# Allegro board controller_layout.brd (continued)
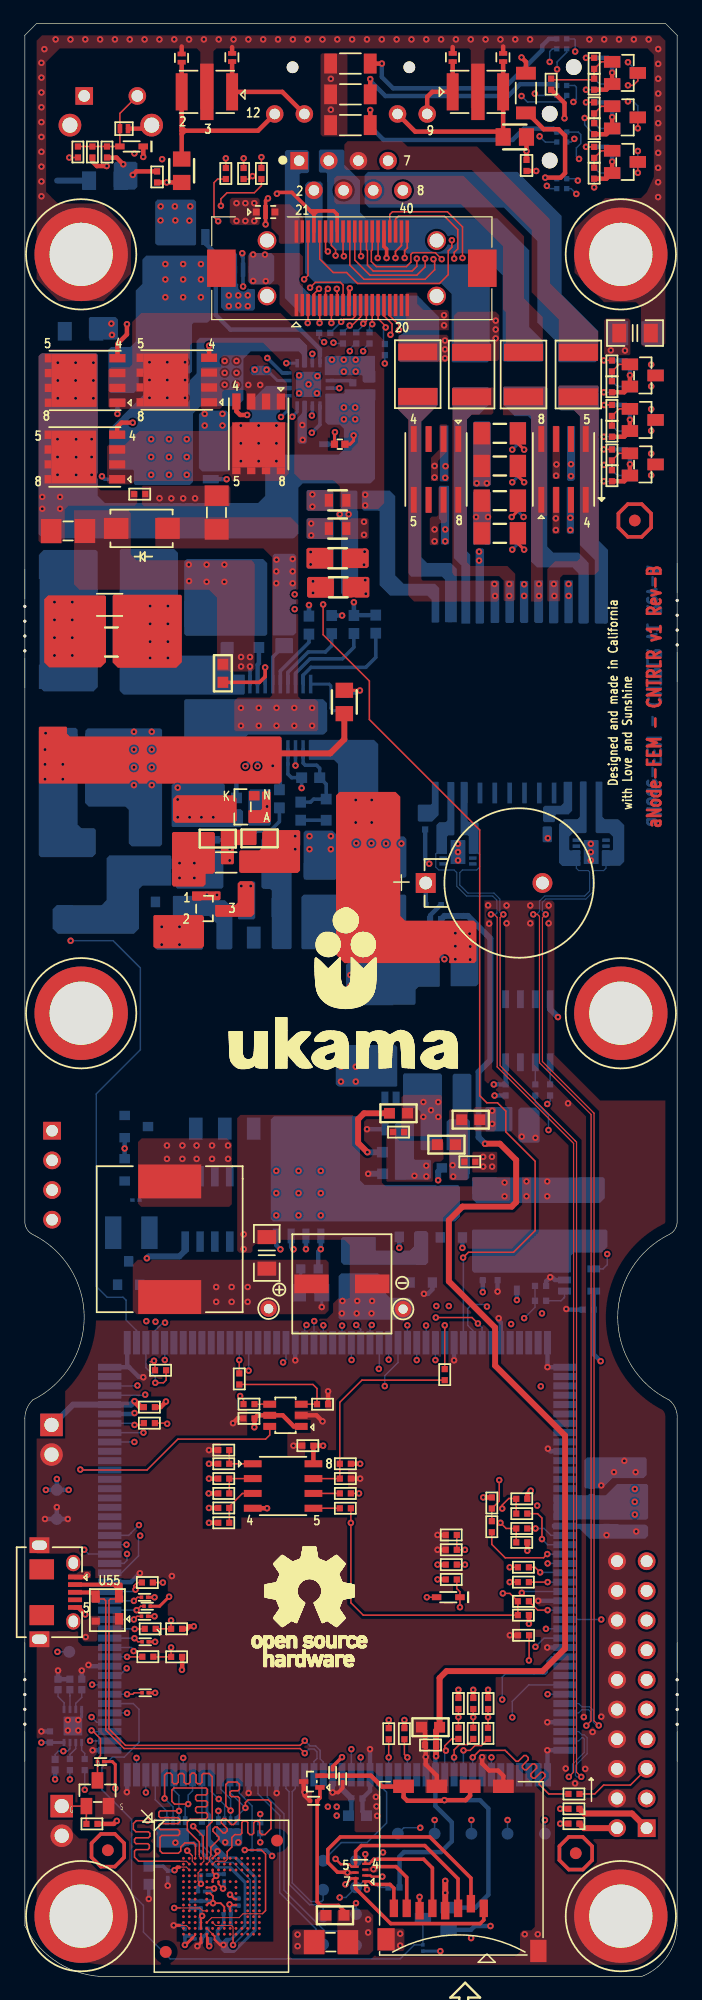
[diagram p0: board, top side]
## Routing (per net, layer and track width the routed paths; a pad name or vN(x,y) marks a point on that pad's centre or on a via; arc(x,y) is an arc through that point) (continued)
TWI0_CLK: length 43.4
  TOP w0.127: R59.1 R55.2 42.07,40.95 41.45,40.95 40.89,40.39 v1(40.89,40.08)
  L4-SIG2 w0.119: v1(44.86,72.49) 44.86,70.92 44.15,70.21 44.15,65.99 43.79,65.63 43.79,55.93 40.74,52.88 40.74,48.92 38.61,46.79 38.61,40.59 39.12,40.08 v1(40.89,40.08)
  BOTTOM w0.127: R125.2 43.73,74.89 44.86,73.76 v1(44.86,72.49)
TWI0_DATA: length 44.9
  TOP w0.127: v1(40.74,38.86) 41.23,38.38 R62.1 R63.2
  L4-SIG2 w0.119: v1(40.74,38.86) 40.23,38.35 39.32,38.35 38.05,39.62 38.05,46.79 40.34,49.07 40.34,53.04 43.43,56.13 43.43,66.04 43.69,66.29 43.69,70.61 44.3,71.22 44.3,74.27 v1(44.75,74.73)
  BOTTOM w0.127: R124.2 45,74.97 v1(44.75,74.73)
TWI1_CLK: length 210.9
  TOP w0.127: R54.2 v1(28.63,41.38) ; R61.1 R56.2 40.64,40.72 v1(40.64,42.52)
  TOP w0.146: J1.40 32.76,148.03 32.54,147.8 v1(32.54,147.17)
  L3-SIG1 w0.119: v1(28.63,41.38) 29.77,42.52 v1(40.64,42.52) 45.82,42.52 46.43,43.13 46.43,55.63 43.48,58.57 41.55,58.57 40.94,57.96 36.86,57.96 v1(36.32,57.43)
  L4-SIG2 w0.119: v1(32.54,147.17) 32.54,145.11 35.33,142.31 35.33,133.73 36.93,132.13 45.53,132.13 47.65,130.01 47.65,122.58 45.65,120.58 39.62,120.58 39.15,120.11 38.07,120.11 32.92,114.96 32.92,96.88 31.49,95.44 31.49,71.14 31.05,70.7 31.05,62.47 32.17,61.35 33.24,61.35 36.32,58.27 v1(36.32,57.43) ; v1(28.63,41.38) 26.67,39.42 26.67,36.55 26.55,36.43 10.23,36.43 7.11,33.31 7.11,18.08 5.92,16.89 v1(3.86,16.89)
  BOTTOM w0.127: R139.1 v1(3.86,16.89)
TWI1_DATA: length 228.9
  TOP w0.127: v1(40.94,32.82) 41.55,32.82 R71.1 R73.2 28.99,30.95 27.93,32.01 v1(27.93,38.86) R58.2
  TOP w0.146: v1(31.75,147.17) 31.75,147.73 32.26,148.24 J1.39
  L3-SIG1 w0.119: v1(40.94,32.82) 40.94,35.38 41.45,35.89 43.66,35.89 46.99,39.22 46.99,55.58 43.28,59.28 35.76,59.28 35.25,58.77 v1(35.25,57.43)
  L4-SIG2 w0.119: v1(31.75,147.17) 31.75,145.44 35.01,142.18 35.01,133.44 36.73,131.72 45.33,131.72 47.31,129.74 47.31,122.93 45.41,121.02 39.48,121.02 38.95,120.49 37.93,120.49 31.6,114.15 31.6,96.47 31.12,95.99 31.12,71.35 30.71,70.94 30.71,62.2 32.11,60.81 33.02,60.81 35.25,58.58 v1(35.25,57.43) ; v1(27.93,38.86) 27.93,36.11 27.33,35.51 9.97,35.51 7.87,33.42 7.87,17.58 6.3,16 v1(5.13,16)
  BOTTOM w0.127: R138.1 v1(5.13,16)
TWI2_CLK: length 160.4
  TOP w0.127: v1(12.53,30.5) R76.2 11.22,29.78 R75.1 ; v1(36.78,147.12) 36.78,147.65 37.08,147.96 37.08,149.61 35.94,150.75 32,150.75 31.76,150.51 J1.38
  L4-SIG2 w0.119: v1(12.53,30.5) 13.11,31.09 26.52,31.09 34.85,39.42 34.85,47.9 39.27,52.32 39.27,53.9 39.89,54.52 39.89,56.58 41.66,58.34 41.66,85.29 50.97,94.61 50.97,127.96 50.11,128.82 50.11,132.82 45.92,137.01 41.55,137.01 38.98,139.58 38.98,144.91 v1(36.78,147.12)
TWI2_DATA: length 163.9
  TOP w0.127: v1(37.49,147.17) 37.49,149.83 36.2,151.13 31.5,151.13 31.26,150.89 J1.37 ; R79.1 11.03,27.38 R80.2 v1(12.53,28.18)
  L4-SIG2 w0.119: v1(37.49,147.17) 39.43,145.23 39.43,139.85 41.94,137.33 46.13,137.33 50.5,132.97 50.5,128.96 51.29,128.16 51.29,94.48 42.01,85.19 42.01,63.2 42.72,62.49 42.72,57.66 40.94,55.88 40.94,54.71 39.62,53.39 39.62,50.9 35.31,46.58 35.31,39.32 24.17,28.18 v1(12.53,28.18)
TX_ATTN_8DB: length 122.4
  TOP w0.127: J1.16 30.76,142.21 31.46,141.52 31.46,140.73 v1(31.32,140.59)
  L4-SIG2 w0.119: v1(31.32,140.59) 31.29,140.56 31.29,140.16 32.07,139.37 32.07,118.97 22.84,109.73 16.15,109.73 12.5,106.07 12.5,100.43 11.05,98.98 11.05,88.01 12.95,86.11 12.95,76.45 11.56,75.06 11.56,69.29 15.95,64.9 15.95,61.32 17.17,60.1 20.78,60.1 23.18,57.69 23.18,55.22 24.08,54.33 32.04,54.33 v1(33.57,52.79)
  BOTTOM w0.127: v1(33.57,52.79) U17.162
TX_ATTN_P16DB: length 113
  TOP w0.127: J1.17 31.26,142.22 32.05,141.43 v1(32.05,141)
  L4-SIG2 w0.119: v1(27.17,55.75) 26.51,55.09 23.92,55.09 23.57,55.44 23.57,58.42 21.13,60.86 17.68,60.86 16.61,61.93 16.61,65.53 12.8,69.34 12.8,71.98 13.31,72.49 13.31,87.22 12.45,88.09 12.45,99.62 12.9,100.08 13.36,100.08 13.77,100.48 13.77,106.38 16.66,109.27 22.89,109.27 32.51,118.89 32.51,140.06 32.05,140.52 v1(32.05,141)
  BOTTOM w0.127: v1(27.17,55.75) 27.17,55.74 U17.154
VC: length 9.7
  TOP w0.508: R34.2 27.37,105.96 26.16,104.75 21.74,104.75
  BOTTOM w0.305: U11.6 v1(21.24,103.68)
  vias: v1(1.73,105.08) v1(1.73,103.81) v1(1.73,102.54) v1(1.78,106.48) v1(3.25,103.81) v1(3.25,102.54)
VPORTN:
  vias: v1(11.54,126.59) v1(11.63,151.58) v1(11.62,150.38) v1(12.55,126.58) v1(12.85,151.59) v1(12.89,150.38) v1(13.56,126.58) v1(14.1,150.37) v1(14.17,151.59) v1(14.58,126.58) v1(15.41,133.82) v1(15.41,132.82) v1(16.93,133.82) v1(16.93,132.82) v1(17.12,138.35) v1(17.12,137.33) v1(17.12,136.32) v1(18.13,138.35) v1(18.13,137.33) v1(18.13,136.32) v1(19.15,136.3) v1(20.16,136.3) v1(23.49,137.11) v1(23.49,135.58) v1(24.3,136.35) v1(25.02,135.58) v1(25.07,137.05) v1(26.31,138.46) v1(27.32,138.46) v1(27.32,137.44) v1(28.34,138.46) v1(28.34,137.44) v1(38.66,124.99) v1(39.67,124.99)
VPORTP: length 7.8
  TOP w0.254: R23.1 27.86,131.22 28.16,131.53 v1(28.16,131.97)
  TOP w0.381: Q9.9 4.2,128.79 ; Q9.9 4.41,130.13 ; Q9.9 4.2,131.45
  BOTTOM w0.254: D11.1 v1(28.16,131.97)
  BOTTOM w0.381: v1(4.39,130.12) 4.4,130.12 4.41,130.13 Q9.9 ; 4.2,128.79 Q9.9 ; Q9.9 4.2,131.45
  vias: v1(1.5,126.71) v1(1.5,125.69) v1(2.83,138.2) v1(2.83,136.68) v1(2.83,135.15) v1(2.8,131.65) v1(2.8,130.13) v1(2.8,128.6) v1(3.02,126.71) v1(3.02,125.69) v1(4.35,138.2) v1(4.35,136.68) v1(4.35,135.15) v1(4.39,131.64) v1(4.39,128.59) v1(5.72,131.65) v1(5.72,130.13) v1(5.72,128.6) v1(5.87,138.2) v1(5.87,136.68) v1(5.87,135.15) v1(27.33,134.37) v1(27.33,133.35) v1(28.3,134.37) v1(28.3,133.35) v1(38.71,127.89) v1(39.57,127.89)
N00298: length 6.7
  BOTTOM w0.305: U11.17 22.54,111.69 24.28,113.44 25.76,113.44 26.29,113.97 R114.2
N00544: length 8
  BOTTOM w0.305: R113.2 28.19,113.84 27.2,112.85 24.43,112.85 23.19,111.6 U11.18
N00600: length 3.7
  BOTTOM w0.305: U11.15 21.24,112.99 R116.2
N00638: length 13.6
  L4-SIG2 w0.381: v1(17.55,95.58) v1(17.55,96.56) 17.55,101.09 18.97,102.51 22,102.51 v1(23.19,103.7)
  BOTTOM w0.305: U11.3 v1(23.19,103.7)
N00723:
  vias: v1(13.25,95.35) v1(13.25,94.08) v1(14.52,95.35) v1(14.52,94.08)
N00785:
  vias: v1(28.34,100.76) v1(28.34,98.83) v1(29.71,100.76) v1(29.71,98.83) v1(36.88,89.35) v1(36.88,88.24) v1(36.88,87.12) v1(38.1,89.31) v1(38.15,88.21) v1(38.15,87.09)
N00977: length 3.2
  BOTTOM w0.381: U11.13 19.94,112.34 20.05,112.46 R117.1
N01015: length 1.5
  BOTTOM w0.305: U11.12 v1(19.29,112.19)
  vias: v1(14.05,120.91) v1(14.07,119.5) v1(15.57,120.91) v1(15.57,119.44) v1(17.09,120.91) v1(17.09,119.44) v1(18.52,113) v1(18.52,112.19) v1(19.29,113)
N01029: length 5.3
  BOTTOM w0.305: R115.2 24.34,114.26 21.89,111.8 U11.16
N01180: length 9.7
  BOTTOM w0.305: R112.2 30.06,112.97 29.21,112.12 24.51,112.12 23.84,111.44 U11.19
N01231: length 3.5
  BOTTOM w0.305: U11.5 21.89,101.71 R119.1
N01732: length 3.1
  BOTTOM w0.305: U11.7 20.59,102.98 20.32,102.72 R118.1
N02001: length 1.8
  BOTTOM w0.381: R118.2 18.12,100.94 C37.2
N02005: length 13.4
  L4-SIG2 w0.381: v1(20.75,101.22) v1(20.75,100.2) 20.75,93.29 20.09,92.63 v1(16.46,92.63) v1(15.59,92.63)
N03008:
  vias: v1(18.54,93.39) v1(19.35,93.39)
N03119: length 7.8
  BOTTOM w0.305: M1.4 19.11,97.34 19.86,98.1 21,98.1 21.81,98.9 R119.2
N03568: length 7.9
  BOTTOM w0.305: R121.2 24.48,100.58 24.73,100.83 R120.2 25.82,102.11 C35.1 25.26,103.47 24.99,103.73 24.03,103.73 23.84,103.93 U11.2
N03818: length 2.2
  BOTTOM w0.305: R121.1 C38.1
N04075:
  vias: v1(36.64,69.48) v1(36.7,68.51)
N04460: length 10.6
  L4-SIG2 w0.508: v1(35.4,68.2) 35.4,70.94 36.52,72.06 39.04,72.06 40.01,73.03 v1(40.04,73.03) v1(40.04,74.15)
  BOTTOM w0.508: v1(35.4,68.2) 35.4,68.94 D19.C
N04575:
  vias: v1(34.14,74.89) v1(34.14,73.62) v1(34.79,74.19) v1(35.41,74.89) v1(35.41,73.62)
N04656: length 7.3
  TOP w0.508: v1(29.35,70.6) 28.55,71.39 28.55,73.42 29.06,73.93 R37.2
  BOTTOM w0.508: C46.1 v1(29.35,70.6)
N04680:
  vias: v1(33.38,68.58) v1(34.39,69.44) v1(34.39,68.53)
N06278: length 2.1
  BOTTOM w0.254: R132.1 23.63,58.77 LED3.A
N09594:
  vias: v1(18.51,108.64) v1(18.51,107.12) v1(20.04,108.64) v1(20.04,107.12) v1(21.54,120.33) v1(21.54,119.31) v1(21.56,121.33) v1(21.56,108.64) v1(21.56,107.12) v1(22.94,121.4) v1(22.94,120.33) v1(22.94,119.31) v1(23.08,108.64) v1(23.08,107.12) v1(24.61,108.64) v1(24.61,107.12)
N10774:
  vias: v1(10.73,117.36) v1(10.73,115.84) v1(10.73,114.32) v1(10.73,112.92) v1(12.25,117.36) v1(12.25,115.84) v1(12.25,114.32) v1(12.25,112.92) v1(28.39,97.05) v1(29.69,97.05) v1(30.94,97.03) v1(32.26,97.03)
N12017:
  vias: v1(21.54,69) v1(21.54,67.09) v1(21.54,65.19) v1(23.45,69) v1(23.45,67.09) v1(23.45,65.19) v1(25.35,69) v1(25.35,67.09) v1(25.35,65.19)
N12028:
  vias: v1(12.18,71.17) v1(12.18,70.03) v1(13.5,71.17) v1(13.5,70.03) v1(14.72,71.17) v1(14.72,70.03) v1(16.04,71.17) v1(16.04,70.03) v1(17.41,71.17) v1(17.41,70.03)
N12332: length 35.4
  L3-SIG1 w0.508: v1(21.89,62.28) 21.89,60.55 22.96,59.49 22.96,56.69 22.1,55.83 14.75,55.83 11.82,58.76 11.82,67.64 v1(8.55,70.92)
  BOTTOM w0.381: v1(21.89,62.28) 21.54,62.63 M2.4 ; Q22.E v1(8.55,70.92) D18.A
N14160: length 42.8
  L3-SIG1 w0.508: v1(37.48,62.4) v1(32.08,62.4) 29.54,62.4 26.39,59.26 26.39,55.45 25.93,54.99 14.21,54.99 10.45,58.74 v1(10.45,61.51)
  BOTTOM w0.381: D20.A v1(37.48,62.4) ; Q23.E v1(32.08,62.4)
  BOTTOM w0.508: M3.4 13.74,62.18 13.23,61.67 10.61,61.67 v1(10.45,61.51)
N35231: length 2.8
  TOP w0.254: v1(28.7,110.13) 28.69,110.15 R34.1
  BOTTOM w0.254: LED2.A 28.47,109.9 v1(28.7,110.13)
N395134:
  vias: v1(35.99,140.1) v1(35.99,139.34) v1(35.99,138.58)
N395210: length 17.7
  TOP w0.381: J3.12 19.97,158.07 13.71,158.07 ; 13.44,157.79 13.71,158.06 13.71,158.07 ; 13.44,157.79 13.44,158.07 ; 13.44,157.79 R13.1 ; 13.44,158.34 C1.2 D4.1 ; 13.44,158.34 13.44,158.07 ; 13.44,158.34 13.71,158.07 ; 13.44,158.07 13.71,158.07
N395250:
  vias: v1(7.41,141.55) v1(7.46,140.59) v1(26.97,125.22) v1(27.74,125.22)
N395254:
  vias: v1(24.63,126.92) v1(24.63,125.88)
N395258:
  vias: v1(24.48,121.99) v1(24.48,120.93)
N395262:
  vias: v1(24.69,119.48) v1(24.69,118.49)
N395266:
  vias: v1(24.53,124.43) v1(24.53,123.41)
N395402:
  vias: v1(40.33,141.8) v1(40.33,141.04) v1(40.33,140.28)
N395410:
  vias: v1(44.04,119.25) v1(44.04,118.23)
N395506: length 16.3
  TOP w0.381: D3.1 C2.2 R9.1 40.51,157.99 33.44,157.99 J3.10
N395776: length 8.6
  L4-SIG2 w0.381: v1(46.78,129.51) v1(46.78,128.49) 45.31,127.02 42.69,127.02 v1(41.75,127.96)
  BOTTOM w0.254: R108.2 42.24,128.44 v1(41.75,127.96)
N395780:
  vias: v1(40.23,119.25) v1(40.28,118.23)
N395784:
  vias: v1(41.5,119.25) v1(41.5,118.23)
N395792:
  vias: v1(45.31,119.25) v1(45.36,118.23)
N395816: length 9.1
  L4-SIG2 w0.381: v1(46.73,124.92) v1(46.73,123.87) 44.4,121.54 42.06,121.54 41.75,121.84 v1(41.75,122.2)
  BOTTOM w0.254: v1(41.75,122.2) 42.24,122.68 R111.1
N397214: length 8.9
  L4-SIG2 w0.381: v1(36.01,128.35) 36.04,128.38 v1(36.04,129.34) 40.34,129.34 v1(41.75,130.76)
  BOTTOM w0.254: R106.2 42.24,131.24 v1(41.75,130.76)
N397226: length 10.6
  L4-SIG2 w0.381: v1(42.72,124.99) 42.72,124.33 42.11,123.72 37.54,123.72 36.73,122.91 v1(36.01,122.91) v1(36.01,123.92)
  BOTTOM w0.254: v1(42.72,124.99) 42.24,125.47 R110.1
N399906: length 7.5
  TOP w0.254: R23.2 26.52,132.21 v1(26.57,132.25)
  L5-PWR w0.381: v1(26.57,132.25) 26.57,135.65 v1(26.94,136.02)
  BOTTOM w0.254: D11.2 26.25,131.22 26.57,131.54 v1(26.57,132.25)
  BOTTOM w0.305: U8.11 v1(26.94,136.02)
N400318: length 2.1
  BOTTOM w0.305: U8.10 27.91,136.67 R103.1
N1148675: length 21.3
  TOP w0.254: v1(42.77,130.76) 42.24,131.29 R22.2
  L4-SIG2 w0.381: v1(35.1,123.92) v1(35.1,122.91) 35.81,122.2 37.03,122.2 37.84,123.01 43.2,123.01 43.89,123.7 43.89,124.92 41.05,127.76 41.05,129.03 v1(42.77,130.76)
N1148683: length 11.2
  TOP w0.254: v1(41.7,124.99) 42.24,125.52 R28.1
  L4-SIG2 w0.381: v1(41.7,124.99) 40.13,126.56 35.84,126.56 35.1,127.31 v1(35.1,128.38) 35.1,128.38 v1(35.1,129.36)
N1148871: length 5.6
  TOP w0.254: R25.2 42.24,128.49 v1(42.77,127.96)
  L4-SIG2 w0.381: v1(45.54,129.49) 45.51,129.47 v1(45.51,128.53) 44.94,127.96 v1(42.77,127.96)
N1148879: length 6
  TOP w0.254: v1(42.77,122.2) 42.24,122.73 R30.1
  L4-SIG2 w0.381: v1(42.77,122.2) 43.81,122.2 v1(45.49,123.87) v1(45.49,124.87)
N16782839: length 5.2
  TOP w0.127: R41.2 v1(35.97,55.77)
  BOTTOM w0.127: v1(35.97,55.77) U17.165
N16782840: length 2.6
  TOP w0.127: R43.2 v1(18.37,52.79)
  BOTTOM w0.127: v1(18.37,52.79) U17.143
N16783926: length 3
  TOP w0.127: R75.2 9.72,29.78 9.71,29.78 9.43,29.78 v1(9.41,29.77)
  BOTTOM w0.127: v1(9.41,29.77) 9.39,29.78 U17.102
N16783927: length 2.8
  TOP w0.127: R79.2 9.73,27.4 9.71,27.38 v1(8.76,27.38)
  BOTTOM w0.127: v1(8.76,27.38) U17.99
N16784147: length 3.5
  TOP w0.127: v1(9.48,33.14) 9.34,33.28 9.34,33.46 9.62,33.75 R69.1
  BOTTOM w0.127: U17.106 9.32,32.98 v1(9.48,33.14)
N16785016: length 4.2
  TOP w0.127: R86.2 37.93,19.87 37.22,19.87 36.77,19.42 v1(36.77,18.77)
  BOTTOM w0.127: v1(36.77,18.77) U17.53
N16785078: length 16.3
  TOP w0.127: v1(38.37,18.77) 38.37,18.78 38.96,19.38 41.14,19.38 41.27,19.25 42.08,18.44 42.26,18.44 42.76,18.93 42.94,18.93 43.12,18.75 43.12,18.57 42.62,18.08 42.62,17.9 42.8,17.72 42.98,17.72 43.48,18.22 43.66,18.22 43.84,18.04 43.84,17.86 43.34,17.36 43.34,17.18 43.52,17 43.7,17 44.2,17.5 44.38,17.5 44.56,17.32 44.56,17.14 44.06,16.64 44.06,16.46 44.88,15.64 R92.2
  BOTTOM w0.127: v1(38.37,18.77) U17.51
N16785081: length 4.6
  TOP w0.127: R87.2 39.1,19.78 38.55,19.78 38.14,19.37 v1(37.57,19.37)
  BOTTOM w0.127: v1(37.57,19.37) 37.57,19.37 U17.52
N16785084: length 4
  TOP w0.127: v1(36.07,19.36) 35.97,19.45 35.97,19.76 36.56,20.35 R85.2
  BOTTOM w0.127: U17.54 35.97,19.26 v1(36.07,19.36)
N16821996: length 3.5
  TOP w0.127: R62.2 v1(43.74,38.38)
  BOTTOM w0.127: U17.19 45.07,37.78 44.48,38.38 v1(43.74,38.38)
N16821997: length 5.4
  TOP w0.127: R59.2 43.92,39.65 44.3,39.27 v1(44.3,37.47)
  BOTTOM w0.127: U17.20 44.78,36.98 v1(44.3,37.47)
N16828605: length 3
  TOP w0.127: R88.1 v1(31.17,18.77)
  BOTTOM w0.127: v1(31.17,18.77) U17.60
N16828699: length 7.9
  TOP w0.127: R61.2 40,37.01 41.15,35.87 44.44,35.87 v1(44.76,36.18)
  BOTTOM w0.127: U17.21 v1(44.76,36.18)
N16828700: length 3.4
  TOP w0.127: R71.2 43.94,31.38 v1(44.78,31.38)
  BOTTOM w0.127: v1(44.78,31.38) U17.27
N16835633: length 14.8
  TOP w0.083: 13.28,5.88 15,5.88 15.24,5.64 U7.K5
  TOP w0.127: 13.28,5.88 v1(12.8,5.88)
  L3-SIG1 w0.119: v1(20.16,11.5) 20.16,10.46 18.88,9.18 14.74,9.18 12.8,7.24 v1(12.8,5.88)
  BOTTOM w0.127: R141.1 v1(20.16,11.5)
N16836459: length 3
  TOP w0.127: v1(9.4,47.24) 10.04,47.24 R47.2
  BOTTOM w0.127: U17.124 9.26,47.38 v1(9.4,47.24)
N16836513: length 26.4
  L4-SIG2 w0.119: v1(39.97,18.77) 39.03,17.83 35.26,17.83 28.5,11.07 28.5,7.67 27.61,6.78 v1(26.97,6.78)
  BOTTOM w0.127: v1(39.97,18.77) U17.49 ; R145.2 30.33,7.64 29.84,8.13 28.96,8.13 28.47,7.64 TP13.1 27.5,6.78 v1(26.97,6.78)
N16836517: length 30.9
  L4-SIG2 w0.119: v1(30.68,10.64) 30.68,11.99 35.71,17.02 39.86,17.02 40.89,18.05 v1(40.89,23.72)
  BOTTOM w0.127: v1(40.89,23.72) 40.89,25.65 41.15,25.91 44.6,25.91 44.75,26.06 44.75,27.03 45.11,27.38 U17.32 ; TP11.1 29.97,9.93 v1(30.68,10.64)
N16838162: length 2.2
  BOTTOM w0.127: U16.1 46.23,58.19 46.19,58.14 46.19,58.13 45.93,57.88 R133.2
N16880995: length 28.5
  TOP w0.127: R17.2 v1(20.27,155.8) ; J1.29 27.26,147.39 v1(27.33,147.32)
  L4-SIG2 w0.119: v1(27.33,147.32) 27.28,147.32 26.64,146.68 24.76,146.68 24.54,146.89 18.22,146.89 15.09,150.02 15.09,155.61 16.15,156.67 19.39,156.67 v1(20.27,155.8)
N16881912: length 1.5
  BOTTOM w0.127: R138.2 5.13,19.12 4.86,19.38 U18.5
N16881928: length 1.9
  BOTTOM w0.127: U18.1 3.36,23.46 2.84,23.98 R136.1
N16881935: length 1.6
  BOTTOM w0.127: U18.6 4.36,19.52 3.86,19.02 R139.2
N16881937: length 1.7
  BOTTOM w0.127: U18.2 3.86,24.04 3.86,24.04 R135.1
N16881941: length 1.9
  BOTTOM w0.127: R134.1 4.88,23.92 4.36,23.4 U18.3
N16895020: length 30.6
  TOP w0.381: CN1.10 38.14,15.49 37.76,15.11 v1(35.94,15.11) 35.89,15.06 32.76,15.06 32.44,15.38 CN1.9 32.42,16.28 30.58,16.28 29.65,17.21 R91.2 R90.1 D10.2
  BOTTOM w0.381: v1(35.94,15.11) 38.99,15.11 39.71,14.39 39.71,7.02 38.6,5.91 Q54.G
N16895022: length 15.4
  TOP w0.305: D10.1 25.28,15.3 C20.1 25.04,6.4 25.35,6.1 26.87,6.1 27.34,5.63 C21.1
  TOP w0.508: v1(36.01,8.2) v1(36.01,7.18) CN1.4
  vias: v1(29.41,4.9) v1(29.41,3.78)
N16900299: length 3.2
  TOP w0.127: U4.1 R49.2 R48.1
N16900301: length 3.9
  TOP w0.127: R60.2 R57.1 17.52,40.26 18.63,41.38 U4.3
N16900303: length 3.3
  TOP w0.127: U4.2 R51.2 R53.1
N16900344: length 2.3
  TOP w0.127: R58.1 U4.5
N16900372: length 2.3
  TOP w0.127: R54.1 U4.6
N16928136: length 5.6
  TOP w0.127: R42.2 12.1,51.08 11.88,50.85 v1(11.18,50.85)
  BOTTOM w0.127: v1(11.18,50.85) 11.18,51.34 10.37,52.15 U17.133
N16936296: length 6.9
  TOP w0.381: J2.1 5.16,34.22 v1(5.33,34.39)
  L3-SIG1 w0.381: v1(5.21,29.08) 5.91,29.79 5.91,33.82 v1(5.33,34.39)
N16936923: length 1.3
  TOP w0.127: R44.1 20.97,49.02 U3.4
N16993616: length 8.5
  TOP w0.127: R10.1 R11.2 C3.2 D6.A D5.1 8.14,159.55 S1.2
N17016934: length 25.9
  L4-SIG2 w0.119: v1(53.65,138.04) 53.65,139.64 51.97,141.33 46.6,141.33 45.27,142.66 45.27,152.58 46.35,153.67 47.24,153.67 v1(47.37,153.8)
  BOTTOM w0.127: v1(53.65,138.04) 53.65,137.49 Q16.D ; v1(47.37,153.8) 47.21,153.96 LED1.4
N17016938: length 30.2
  L3-SIG1 w0.119: v1(47.24,152.65) 47.24,152.4 46.77,151.93 46.77,145.78 46.84,145.72 46.84,144.65 49.1,142.39 51.51,142.39 54.8,139.1 54.8,137.08 54.97,136.92 54.97,131.12 54.27,130.42 v1(53.65,130.42)
  BOTTOM w0.127: v1(53.65,130.42) 53.65,129.87 Q21.D ; v1(47.24,152.65) 46.79,153.11 LED1.3
N17016942: length 34.1
  TOP w0.127: v1(53.65,136.18) 53.65,136.73 Q4.D
  L3-SIG1 w0.119: v1(44.72,153.34) 45.4,152.66 45.4,143.52 48.56,140.36 50.19,140.36 50.85,139.7 50.85,138.07 51.28,137.65 51.28,132.62 52.12,131.78 53.85,131.78 54.2,132.13 54.2,135.63 v1(53.65,136.18)
  BOTTOM w0.127: LED1.2 44.96,153.11 v1(44.72,153.34)
N17021500: length 10.3
  TOP w0.381: v1(44.58,154.05) 45.9,154.05 46.28,154.43 46.28,157.63 45.72,158.19 44.45,158.19 43.05,159.59 R4.1
  BOTTOM w0.127: v1(44.58,154.05) 44.67,153.96 LED1.1
N17022278: length 2.6
  BOTTOM w0.127: R101.1 R102.2 50.75,136.16 Q16.G
N17022388: length 2.6
  BOTTOM w0.127: R107.1 R109.2 50.75,128.54 Q21.G
N17022553: length 2.6
  TOP w0.127: R19.1 R18.1 50.9,138.06 Q4.G
N17025782: length 19.7
  TOP w0.381: R7.1 v1(29.59,159.84)
  BOTTOM w0.381: v1(29.59,159.84) 29.59,158.42 30.73,157.28 41.78,157.28 42.75,158.24 45.27,158.24 LED1.5
N17025813: length 38.1
  TOP w0.127: Q10.D 53.65,129.11 v1(53.65,128.56)
  L3-SIG1 w0.119: v1(47.47,155.65) 47.47,154.74 46.43,153.7 46.43,144.6 49.05,141.99 51.36,141.99 54.48,138.86 54.48,136.95 54.56,136.87 54.56,131.98 53.82,131.24 53.41,131.24 52.98,130.81 52.98,129.23 v1(53.65,128.56)
  BOTTOM w0.127: LED1.8 47.41,157.95 47.62,157.73 47.62,156.97 47.24,156.59 47.24,155.88 v1(47.47,155.65)
N17025815: length 32
  TOP w0.127: Q7.D 53.65,132.92 v1(53.65,132.37)
  L3-SIG1 w0.119: v1(53.65,132.37) 52.6,133.42 52.6,139.48 51.1,140.97 48.82,140.97 45.82,143.97 45.82,144.02 45.75,144.09 45.75,154.36 46.45,155.06 46.45,156.74 v1(47.07,157.37)
  BOTTOM w0.127: LED1.7 46.8,157.1 v1(47.07,157.37)
N17025817: length 34.7
  L3-SIG1 w0.119: v1(44.09,157.58) 44.37,157.86 47.28,157.86 47.56,157.57 47.56,156.94 46.96,156.33 46.96,154.91 46.11,154.06 46.11,144.47 49.03,141.55 50.98,141.55 53.14,139.39 53.14,134.98 53.65,134.46 v1(53.65,134.23)
  BOTTOM w0.127: Q18.D 53.65,133.68 v1(53.65,134.23) ; LED1.6 44.58,157.1 v1(44.09,157.58)
N17025880: length 2.6
  TOP w0.127: Q10.G 50.9,130.44 R24.2 R26.1
N17025886: length 2.6
  BOTTOM w0.127: Q18.G 50.75,132.35 R105.1 R104.1
N17025966: length 2.6
  TOP w0.127: R21.1 R20.2 50.9,134.25 Q7.G
N17028146: length 18.4
  TOP w0.381: R5.1 v1(29.59,162.49)
  BOTTOM w0.381: LED1.9 45.45,162.05 42.42,162.05 41.4,161.04 30.89,161.04 29.59,162.33 v1(29.59,162.49)
N17028177: length 10.4
  L4-SIG2 w0.119: v1(52.51,156.33) 51.49,156.33 47.29,160.53 v1(46.99,160.53)
  BOTTOM w0.127: LED1.12 47.1,161.94 47.24,161.8 47.24,160.78 v1(46.99,160.53) ; Q14.D v1(52.51,156.33)
N17028179: length 19.8
  TOP w0.127: Q3.D v1(52.51,154.47)
  L4-SIG2 w0.119: v1(52.51,154.47) 47.41,154.47 45.27,156.61 43.85,156.61 42.93,157.53 42.93,160.66 v1(42.55,161.04)
  BOTTOM w0.127: LED1.11 46.42,160.97 45.97,160.53 43.05,160.53 v1(42.55,161.04)
N17028181: length 12.5
  L4-SIG2 w0.119: v1(51.66,160.58) 51.16,161.09 45.82,161.09 45.33,161.58 44.03,161.58 v1(43.69,161.24)
  BOTTOM w0.127: v1(43.69,161.24) 43.84,161.09 LED1.10 ; Q13.D 52.51,160.19 52.12,160.58 v1(51.66,160.58)
N17028244: length 2.6
  BOTTOM w0.127: R99.1 R100.2 49.23,154.45 Q14.G
N17028250: length 2.6
  BOTTOM w0.127: Q13.G 49.23,158.26 R98.1 R97.1
N17028330: length 2.6
  TOP w0.127: R14.1 R12.2 49.38,156.35 Q3.G
N17028652: length 19.5
  TOP w0.381: R2.1 v1(30.58,163.82)
  BOTTOM w0.381: LED1.13 44.9,165.93 44.32,165.35 44.32,164.97 41.05,161.7 31.55,161.7 30.58,162.66 v1(30.58,163.82)
N17028683: length 7.9
  L4-SIG2 w0.119: v1(47.14,164.85) 50.75,164.85 v1(51.66,163.93)
  BOTTOM w0.127: v1(51.66,163.93) 52.51,163.09 Q12.D ; v1(47.14,164.85) 47.14,165.84 47.05,165.93 LED1.16 46.42,165.93
N17028685: length 14.6
  TOP w0.127: Q2.D v1(52.51,158.28)
  L4-SIG2 w0.119: v1(52.51,158.28) 52.51,162.25 52.07,162.69 51.31,162.69 51.05,162.43 46.48,162.43 v1(45.59,163.32)
  BOTTOM w0.127: v1(45.59,163.32) 45.59,163.96 46.42,164.78 LED1.15
N17028687: length 11.4
  TOP w0.127: v1(51.66,161.95) 52.12,161.95 52.51,162.34 Q1.D
  L4-SIG2 w0.119: v1(51.66,161.95) 51.51,162.1 45.87,162.1 44.96,163.02 v1(44.96,163.96)
  BOTTOM w0.127: v1(44.96,163.96) 44.96,164.85 45.19,165.08 LED1.14
N17028750: length 2.6
  BOTTOM w0.127: R95.1 R96.2 49.23,162.07 Q12.G
N17028756: length 6.4
  TOP w0.127: R144.2 45.18,162.43 48.67,162.43 R3.1 R1.1 49.38,163.97 Q1.G
N17028836: length 2.6
  TOP w0.127: R8.1 R6.2 49.38,160.16 Q2.G
N17051445: length 1.8
  BOTTOM w0.381: D10118.1 BT1.1
N17051485: length 1.4
  BOTTOM w0.381: R10792.2 34.71,88.94 34.34,88.57 D10119.2
N17051491: length 1.7
  BOTTOM w0.381: R10791.2 34.71,90.87 D10118.2
N17056764: length 3.6
  TOP w0.127: R10795.2 Q55.G JP2.1
N17063560: length 137.6
  L3-SIG1 w0.119: v1(30.83,138.14) 30.83,138.25 28.35,140.74 28.35,142.05 28.11,142.29 23.96,142.29 23.14,141.46 11.05,141.46 8.41,138.82 7.77,138.82 7.29,138.34 7.29,130.01 7.9,129.4 7.9,127.41 6.92,126.44 6.92,90.18 11.64,85.46 11.64,77.91 6.48,72.75 6.48,68.9 8.34,67.04 8.34,52.39 7.45,51.49 7.45,39.05 8.71,37.78 v1(8.71,36.99)
  BOTTOM w0.127: U17.111 8.7,36.98 v1(8.71,36.99) ; R155.2 v1(30.83,138.14)
N17063563: length 134.6
  L3-SIG1 w0.119: v1(28.98,139.18) 27.12,141.04 11.34,141.04 8.62,138.31 8.62,133.78 7.73,132.9 7.73,130.28 8.32,129.7 8.32,127.23 7.37,126.28 7.37,90.24 12.01,85.6 12.01,77.76 6.85,72.6 6.85,69.15 8.68,67.32 8.68,52.26 7.81,51.38 7.81,39.28 9.29,37.79 9.29,36.52 8.97,36.2 v1(8.75,36.2)
  BOTTOM w0.127: v1(28.98,139.18) 28.98,139.35 29.48,139.85 R156.2 ; U17.109 8.49,35.38 8.75,35.64 v1(8.75,36.2)
N17063566: length 126.5
  L3-SIG1 w0.119: v1(25.64,139.97) 25.34,140.27 11.79,140.27 9.73,138.22 9.73,127.4 8.29,125.95 8.29,90.33 12.77,85.85 12.77,77.44 7.61,72.28 7.61,69.47 9.37,67.71 9.37,51.93 8.53,51.09 8.53,39.92 v1(9.78,38.67)
  BOTTOM w0.127: v1(9.78,38.67) 9.1,38 9.1,37.99 8.9,37.78 U17.112 ; v1(25.64,139.97) 25.54,139.97 25.21,140.29 R157.2
N17063569: length 131.8
  L3-SIG1 w0.119: v1(9.88,37.76) 9.88,37.79 8.19,39.48 8.19,51.27 9.02,52.1 9.02,67.54 7.25,69.31 7.25,72.44 12.4,77.59 12.4,85.69 7.82,90.27 7.82,126.08 8.76,127.03 8.76,129.91 8.15,130.52 8.15,132.76 9.22,133.83 9.22,138.27 11.62,140.67 25.9,140.67 26.44,140.13 v1(26.44,139.91)
  BOTTOM w0.127: v1(26.44,139.91) 26.51,139.85 R158.2 ; U17.108 8.29,34.58 9.74,36.03 9.74,37.62 v1(9.88,37.76)
N17063605: length 139.3
  L3-SIG1 w0.119: v1(9.32,27.88) 9.25,27.95 8.79,27.95 8.46,28.27 8.46,35.12 10.44,37.1 10.44,38.92 8.88,40.48 8.88,50.97 9.72,51.81 9.72,67.89 7.99,69.62 7.99,72.13 13.15,77.29 13.15,86.01 8.66,90.49 8.66,125.67 10.1,127.11 10.1,137.5 10.22,137.62 14.47,137.62 15.05,138.2 16.06,138.2 17.42,139.56 25.05,139.56 25.42,139.19 v1(27.84,139.19)
  BOTTOM w0.127: R10800.2 28.32,139.85 27.84,139.36 v1(27.84,139.19) ; U17.100 9.14,28.18 9.27,28.06 9.27,27.93 v1(9.32,27.88)
N19998964: length 3.9
  TOP w0.083: U7.C2 13.84,9.38 13.28,9.38 13.26,9.36
  TOP w0.127: 13.26,9.36 13.25,9.37 13.22,9.37
  TOP w0.305: v1(12.82,9.11) 13.08,9.37 13.22,9.37
  BOTTOM w0.305: C60.1 11.84,9.46 C58.1 12.77,9.06 v1(12.82,9.11)
N20071633: length 1.9
  BOTTOM w0.127: U15.5 R124.1
N20071656: length 1.9
  BOTTOM w0.127: U15.6 R125.1
N20073323: length 22.9
  TOP w0.127: R67.2 37,33.23 37.27,32.96 D9.K v1(37.27,31.63)
  L3-SIG1 w0.119: v1(37.27,31.63) 37.27,29.07 38.76,27.58 47.4,27.58 49.12,29.31 52.08,29.31 J5.15
N20073327: length 23.9